# Altium PCB PCB1.PcbDoc (part 2 of 3)
Units mm, origin at the board's own origin, x right, y up, seen from the top; angles counter-clockwise.
Board outline 395.86 x 234.82 mm, 2 copper layers (Top Layer, Bottom Layer); 304 components, 236 nets, 1028 pads, 1089 vias.
Unrouted connection lines stored in the file: 1.
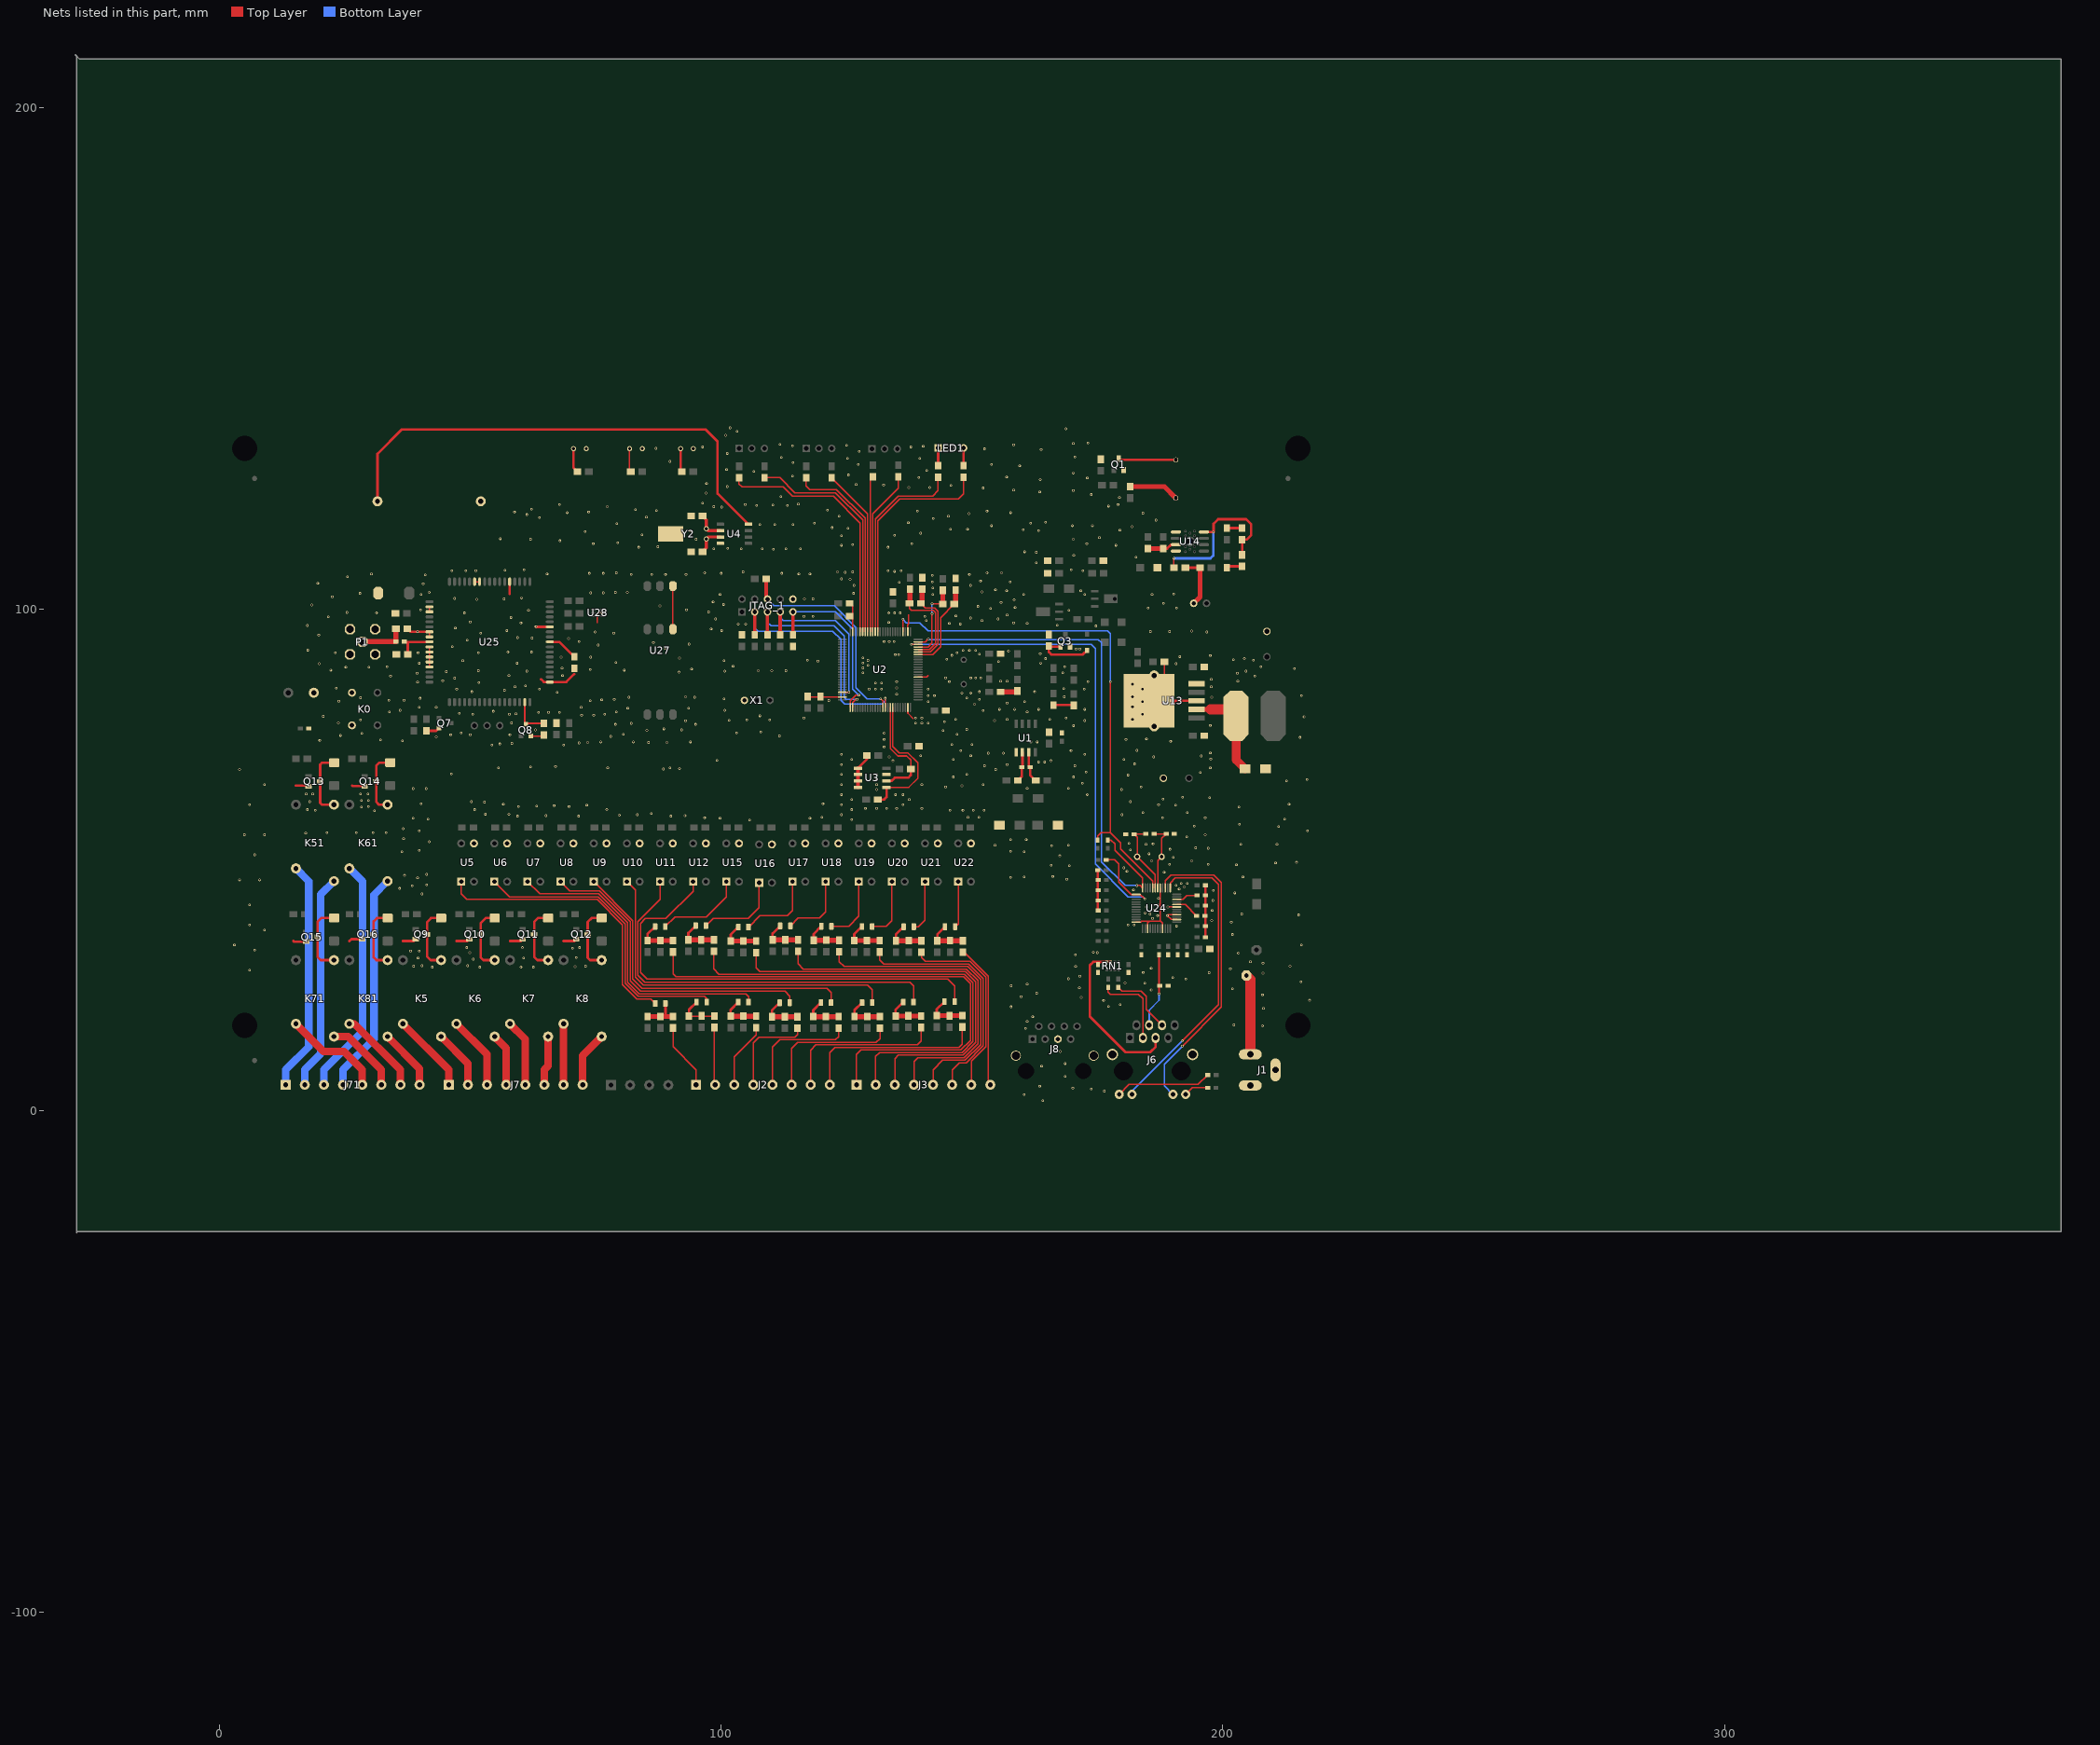
[diagram p2: the nets of this part, all layers, seen from the top]

## Via types
v1: diameter 0.5, hole 0.3, Top Layer to Bottom Layer, tented both sides, 1079 vias
v2: diameter 1, hole 0.5, Top Layer to Bottom Layer, tented both sides, 6 vias
v3: diameter 0.7, hole 0.5, Top Layer to Bottom Layer, tented both sides, 2 vias
v4: diameter 1.2, hole 0.5, Top Layer to Bottom Layer, tented both sides, 1 vias
v5: diameter 0.7, hole 0.3, Top Layer to Bottom Layer, tented both sides, 1 vias

## Nets (pads, with @x,y where several pads share a name; then routed paths per layer and width w, separated by ;. In a path a pad name is that pad's centre, name@x,y a point inside that pad or via, vN(x,y) a via of type N, cw(c..) or ccw(c..) an arc to the next point about the centre after c; other vN are vias at no path point) (continued)
GND: BAT1.2 C1.2 C01.2 C2.2 C02.2 C3.1 C03.2 C003.2 C4.1 C04.2 C004.2 C05.2 C06.2 C07.1 C7.1 C9.2 C10.2 C13.2 C14.1 C15.2 C16.2 C17.2 C18.1 C20.1 C21.1 C23.1 C24.2 C25.2 C27.2 C28.2 C31.2 C32.1 C33.2 C34.1 C35.2 C36.2 C37.2 C38.2 C69.1 C70.1 C71.1 C72.1 C73.1 C85.2 C86.2 D12.1 D25.2 D26.2 D27.2 J1.2 J1.3 J4.2 J6.13 J6.14 J8.5 J8.9 J8.10 JTAG_1.10 K0.2 L1.1 L4.1 LED5.2 P1.2 P1.3 P1.4 P1.5 pad.6@182,85 pad.7@182,78 pad.8@182,80.5 pad.9@182,82.5 pad.10 pad.11 pad.12 Q1.2 Q3.2 Q7.1 Q8.1 Q9.2 Q10.2 Q11.2 Q12.2 Q13.2 Q14.2 Q15.2 Q16.2 R2.2 R6.2 R8.1 R9.2 R21.1 R52.2 R53.2 R73.1 R82.1 R83.1 R92.1 R93.1 R94.2 R97.1 R107.1 R108.1 R109.1 R110.1 R112.1 TVS1.2 TVS3.1 U1.5 U2.10 U2.27 U2.49 U2.74 U2.99 U3.1 U3.2 U3.3 U3.4 U3.7 U4.4 U5.3 U6.3 U7.3 U8.3 U9.3 U10.3 U11.3 U12.3 U13.3 U13.5 U13.6 U13.7 U13.8 U14.1 U14.3 U15.3 U16.3 U17.3 U18.3 U19.3 U20.3 U21.3 U22.3 U24.3 U24.9 U24.14 U24.16 U24.19 U24.29 U24.48 U25.18 U25.29 U25.39 U25.45 U25.46 U25.53 U25.54 U25.58 U25.59 U25.61 U25.62 U25.63 U25.64 U25.65 U27.3 U28.2 X1.3 Y2.3 | length 195.2
  Top Layer w0.254: U25.65@41.858,88.432 U25.64@41.858,89.432 U25.63@41.858,90.432 U25.62@41.858,91.432 U25.61@41.858,92.432 ; U25.59@41.858,94.432 41.853,94.432 41.853,95.432 U25.58@41.858,95.432 ; U25.54@41.858,99.432 U25.53@41.858,100.432 ; U25.46@50.858,105.432 U25.45@51.858,105.432 ; Q8.1@62.04,74.676 64.422,74.676 C32.1@64.646,74.9 C32.1@64.838,74.9 ; U25.18@65.856,85.432 U25.18@65.858,85.432 ; 75.35,97.25 75.35,99 75.584,99.234 U28.2@76.33,99.234 ; U27.3@90.373,95.969 U27.3@90.373,104.569 ; C4.1@94.006,111.411 C4.1@94.006,111.416 ; R6.2@114.33,92.554 R6.2@114.344,92.554 ; C73.1@117.265,82.531 C73.1@117.353,82.619 ; C72.1@125.622,101.124 126.218,100.528 U2.49@126.218,95.466 ; U2.27@137.218,95.466 137.218,96.868 137.338,96.988 137.338,98.889 ; C7.1@159.071,83.662 C7.1@159.527,83.662 ; U24.48@182.724,37.598 183.648,37.598 183.85,37.8 185.35,37.8 ; U24.3@185.024,36.298 185.024,37.474 185.35,37.8 ; U13.6@186.038,76.303 U13.6@186.328,76.593 ; U13.8@186.328,86.753 186.328,84.724 185.278,83.674 U13.7@185.278,81.692 ; U24.29@187.524,44.398 187.524,37.926 187.65,37.8 ; U24.9@188.024,36.298 188.024,37.426 187.65,37.8 ; LED5.2@188.36,89.44 188.36,81.692 185.282,81.692 U13.7@185.278,81.692 ; U13.7@188.75,79.2 188.75,79.204 188.741,79.195 188.741,79.006 188.353,78.617 U13.6@186.328,76.593 ; v1@189.029,40.621 v1(189.052,40.598) U24.19@190.824,40.598 ; 190.4,81.15 190.4,81.688 190.4,81.692 190.4,81.794 191.48,81.794 191.586,81.688 192.957,81.688 U13.3@194.778,81.688 ; U14.3@190.646,112.808 U14.3@190.9,112.808 ; U24.14@190.824,38.098 189.752,38.098 v1(188.95,38.9) 189.148,39.098 U24.16@190.824,39.098 ; U13.7@185.278,81.692 185.278,77.642 U13.6@186.328,76.593 ; 185.35,37.8 187.65,37.8
  Top Layer w0.3: C73.1@117.265,82.531 117.381,82.416 U2.74@124.168,82.416 ; U2.99@137.218,80.366 137.218,79.232 138.25,78.2 ; U2.10@139.268,86.416 140.966,86.416 141.25,86.7
  Top Layer w0.5: 14.732,33.814 14.859,33.687 Q15.2@17.272,33.687 ; 15.24,64.802 17.653,64.802 Q13.2@17.78,64.675 ; 25.908,33.814 26.289,34.195 Q16.2@28.448,34.195 ; 26.416,64.802 26.543,64.675 Q14.2@28.956,64.675 ; 36.576,33.814 38.735,33.814 Q9.2@39.116,34.195 ; C33.2@37.468,96.044 38.08,95.432 41.853,95.432 U25.58@41.858,95.432 ; R92.1@41.278,75.724 43.212,75.724 Q7.1@43.786,76.298 ; 47.244,33.814 49.403,33.814 Q10.2@49.784,34.195 ; 57.858,103.008 U25.39@57.858,105.432 ; 57.912,33.814 60.071,33.814 Q11.2@60.452,34.195 ; v1(63.1,96.5) 63.168,96.432 U25.29@65.858,96.432 ; 64.1,86 64.668,85.432 U25.18@65.858,85.432 69.147,85.432 70.742,87.027 ; 68.58,33.814 70.739,33.814 Q12.2@71.12,34.195 ; U3.1@127.274,68.27 129.052,70.048 C9.2@129.052,70.81 ; R73.1@166.253,80.844 R8.1@170.253,80.844 ; R112.1@175.09,47.968 175.09,39.952 R107.1@175.146,39.896 ; U13.7@185.282,81.692 185.282,81.688 190.4,81.688 191.586,81.688 192.957,81.688 U13.3@194.778,81.688 ; R53.2@188.106,112.046 188.896,112.046 189.658,112.808 U14.3@190.646,112.808 ; C15.2@192.551,108.236 C16.2@195.472,108.236 ; C05.2@196.553,34.76 C06.2@196.553,36.792 C03.2@196.553,40.856 C24.2@196.553,42.888 R94.2@196.553,44.92
  Top Layer w0.7: U3.4@127.274,64.46 U3.3@127.274,65.73 U3.2@127.274,67 U3.1@127.274,68.27
  Top Layer w1: C1.2@155.721,83.471 158.88,83.471 C7.1@159.071,83.662 ; R52.2@185.058,112.046 R53.2@188.106,112.046 ; J4.2@194.202,101.124 195.472,102.394 C16.2@195.472,108.236
  other v1: 164.1,2 160.4,3.2 176.4,3.9 173.8,4.3 170.1,4.5 163.5,4.9 168.6,6.8 163.9,8.9 168.6,9.4 167.6,11.8 160.7,16.4 207.9,16.9 202.2,17.1 161,17.8 162.1,18.7 208.1,20.4 157.8,20.7 177.216,20.752 179.527,21.133 176.251,21.996 217.3,22 171.78,22.581 159.8,22.7 207.9,23.1 162.9,23.4 185.725,24.054 201.9,24.3 171.399,24.46 157.8,24.9 161,25.2 184.455,25.4 180.518,25.451 215.6,25.7 192.634,26.264 169.2,26.3 190.017,26.518 171.501,26.797 208,27.4 197.3,27.5 184.15,27.534 6,28 201.5,28.3 185.725,28.397 42.4,28.6 51.9,28.6 60.1,28.6 62.6,28.6 70.9,28.7 170.663,28.727 38.7,28.8 73,28.8 213.4,28.8 40.4,28.9 49.5,28.9 208,29.4 205.5,29.7 50.6,30.2 39.6,30.4 60.6,30.4 71.1,30.5 170.6,31.1 203.1,31.4 49.9,31.5 175,31.5 174.2,31.6 38.1,31.8 39.8,31.8 7,32 70.4,32.4 49.3,32.5 60.4,32.5 71.8,32.5 3,33 215.7,33 201.9,35.1 9,36 190.8,36.8 6,37 181.1,37 182.3,37 201.7,37.6 197.8,37.9 186,38.3 187,38.9 215.1,39 185.5,39.2 203.8,39.2 184.5,39.4 197.9,39.9 186.3,40 184.8,40.6 6,41 187.1,41 198,41.9 187.2,42.3 40.4,43.2 202.4,43.4 198.1,43.9 182.2,44 191.3,44.2 35.9,44.3 192.3,44.6 38.4,44.8 190.7,44.9 41.3,45 191.7,45.3 192.9,45.3 4,46 8,46 168.9,46.1 39.5,46.4 157.7,46.5 160.4,46.6 204,46.6 166.1,46.7 36.9,46.9 41.3,47.1 188.3,47.5 180.9,47.7 180.3,48.4 169.4,48.8 165.8,48.9 202.7,49 189.4,49.1 197.1,49.1 210.5,49.4 214.7,49.5 185.8,49.8 193.8,49.8 190.1,50.5 167.5,50.8 7,51 185.3,51.2 36.4,51.6 160.4,51.6 157.7,51.7 39.8,51.9 181.6,52 189.5,52.1 197.1,52.3 194.6,52.4 165.9,52.8 154.6,52.9 169.2,52.9 184.7,53.1 203.6,53.1 210.8,53.1 186.1,53.2 181.3,53.3 41.8,53.6 157.7,54 160.8,54 36.7,54.2 192.8,54.6 5,55 9,55 196.5,55 17.2,55.3 21.4,55.4 27.3,55.4 30.6,55.4 33.2,55.4 39.8,55.8 216.9,55.8 36.6,56.2 211.1,56.6 194.3,56.7 203.3,57.1 105.7,57.9 126,58 41.6,58.1 212.3,58.1 38.6,58.3 99.8,58.3 117.7,58.3 96.7,58.4 188,58.4 196.5,58.4 120.1,58.5 149.2,58.5 151.4,58.5 59.4,58.7 71.6,58.7 90,58.7 65.1,58.8 92.8,58.8 79.7,58.9 83.3,59 124,59 179.9,59 53,59.1 57.7,59.1 86.1,59.2 184.1,59.4 192.9,59.4 30.9,59.8 19.1,59.9 145.6,59.9 148.2,59.9 150.3,59.9 152.4,59.9 17.5,60 50.9,60 77.2,60 126,60 128.75,60.25 131,60.25 133,60.25 135,60.25 140,60.25 28.3,60.5 203.2,60.5 29.7,60.6 59.6,60.6 69.7,60.6 63.2,60.7 66.7,60.8 73.2,60.9 190.6,60.9 6,61 124,61 136.25,61 187.2,61 56.6,61.1 213.2,61.1 40.2,61.2 120.3,61.2 52.8,61.5 18,61.6 50.2,61.6 181.6,61.6 28.3,61.8 29.7,61.8 126,62 137.5,62 188.1,62.1 197.4,62.4 192,62.5 124,63 134.75,63 136.25,63 173,63 17.3,63.1 18.6,63.1 28.1,63.1 29.6,63.1 131,64 179.8,64 38.6,64.2 41.2,64.2 161,64.25 169.25,64.25 144.75,64.5 183.7,64.5 148,64.75 9,65 124,65 131,65 140,65 152.25,65 172,65.25 212.7,65.7 131,66 216.8,66 146.25,66.5 170.25,66.5 181.1,66.9 124,67 131,67 149,67 46.2,67.1 195.5,67.4 172.75,67.5 4,68 154.75,68 88.5,68.1 91.7,68.2 55.6,68.3 77.4,68.3 89.8,68.3 197.5,68.3 62,68.5 67,68.6 152.5,68.75 170.5,68.75 124,69 157,69 182.4,69.1 163.25,69.5 164.5,69.5 134.25,69.75 165.75,69.75 99.2,69.8 126,70 146.25,70 180.3,70 197.6,70.1 133.5,70.5 186.2,70.5 195.7,70.7 139.75,70.75 149.75,70.75 124,71 172.5,71 153.25,71.25 156.25,71.25 197.5,71.3 147.75,71.75 169.75,71.75 182.9,71.8 132.5,72.5 54.3,72.9 68.6,72.9 146,73 150,73 55.9,73.1 58.3,73.2 71.7,73.3 73.4,73.4 85.5,73.4 89.2,73.4 76,73.5 82.5,73.5 93.9,73.5 161.75,73.5 163,73.5 189.6,73.6 36.5,73.7 20,73.8 32.1,73.9 132.5,74 180.7,74 184.8,74.1 215.4,74.4 43.2,74.5 78,74.6 111.6,74.7 24.1,74.8 46.1,74.9 50,74.9 57.9,74.9 80.5,75 147,75 28.4,75.2 132.5,75.25 48.2,75.3 103.1,75.3 107.9,75.5 144.25,75.75 85.2,75.8 63,75.9 92.1,75.9 149,76 88.6,76.1 170.25,76.75 197.5,76.8 78.9,77 94.9,77 82.1,77.2 138.75,77.25 140,77.25 141.25,77.25 23.7,77.3 58.2,77.3 144.5,77.5 92.9,77.7 154.5,77.75 172.5,77.75 101.6,77.8 28.1,77.9 105.1,77.9 109.7,77.9 146.75,78 157,78 165.5,78 116.5,78.25 138.75,78.25 140,78.25 168.75,78.25 216.2,78.5 20.7,78.6 107.7,78.7 72.2,78.8 74.6,78.8 50.5,79 57.8,79 76.8,79 59.1,79.1 47.8,79.2 63.6,79.4 65.6,79.4 67.8,79.4 33.9,79.5 79.1,79.5 161,79.5 54.6,79.6 152.25,79.75 36,79.8 100.7,79.8 155.5,80 158.5,80 163.25,80 172.5,80 81.4,80.2 93.5,80.2 39.8,80.4 43.2,80.4 72.1,80.4 150.5,81 157,81.25 141.25,81.5 160.5,81.5 23.8,81.6 73.9,81.7 121.5,81.75 33.8,81.8 36.8,81.8 76.2,81.9 78.7,82 151.5,82 100.6,82.1 40,82.2 149,82.25 28.1,82.3 81.6,82.4 94.7,82.4 197.8,82.4 92.9,82.5 168.4,82.5 215.7,82.7 141.25,82.75 142.5,82.75 135,83 148,83.25 149.75,83.25 67.3,83.4 50.3,83.5 151.5,83.5 162.5,83.5 56.8,83.8 47.3,84 63.8,84 129.5,84 130.75,84 132,84 141.25,84 172.4,84 168.3,84.1 23.3,84.2 135,84.25 58.9,84.5 197.7,84.5 61,84.7 130.75,85.25 132,85.25 51.7,85.3 39.5,85.4 135,85.5 145.5,85.5 173.1,85.5 155.7,85.6 157,85.6 203,85.6 44.5,85.7 197.7,86 46.9,86.2 144.75,86.25 149.75,86.25 150.75,86.25 151.75,86.25 34.1,86.6 206.4,86.6 57.7,86.7 68.4,86.7 39.4,87.2 202.9,87.2 128.25,87.25 168.1,87.3 91.6,87.4 45.2,87.5 61.3,87.6 100.7,87.6 204.6,87.6 51.6,87.7 107.4,87.7 110.1,87.7 112.9,87.7 22.2,87.8 80.7,87.8 73.9,87.9 94.1,88 214.3,88.1 68.3,88.2 128.25,88.25 130.5,88.25 25.2,88.4 29.8,88.4 33.4,88.5 168.5,88.5 207.6,88.5 102.4,88.6 129.25,88.75 19.9,89.1 190.7,89.1 39.8,89.2 59.3,89.2 163.7,89.2 128.25,89.25 79,89.3 155.3,89.5 119.3,89.6 48.5,89.7 100.6,89.7 129.25,89.75 117.2,89.8 206.1,89.8 202.1,89.9 145,90 164.7,90.1 204.3,90.1 91.7,90.2 128.25,90.25 68.1,90.4 74,90.4 191.4,90.5 197.5,90.7 146,90.75 134.7,90.9 135.4,90.9 151.5,91 163.6,91.1 147,91.25 23.1,91.3 39.6,91.3 51.6,91.3 57.5,91.4 62.2,91.4 157.3,91.6 148.25,91.75 149.5,91.75 150.75,91.75 17.6,91.8 170.75,92 171.5,92 88.9,92.1 46.4,92.5 75.5,92.8 93.6,93 86.5,93.3 71.7,93.5 132.5,93.5 133.5,93.5 134.5,93.5 49.4,93.8 69.6,94.1 62.3,94.2 59.4,94.3 19.8,94.8 52.1,95.2 78.6,95.2 74.9,95.4 196.8,95.4 39.5,95.432 185.6,95.5 189.4,95.5 193.8,95.6 57.3,95.7 100.1,95.7 98,96 47,96.2 174.7,96.6 17.5,96.7 167,96.75 103.4,97 104.9,97 147.7,97 145.5,97.1 161,97.1 60.1,97.2 158.3,97.2 133.4,97.3 50,97.4 140.9,97.7 152,97.7 98.9,98 155.2,98 149.7,98.2 58.1,98.3 21.7,98.4 116.5,98.5 118.3,98.5 140.6,98.5 146.8,98.6 157,98.8 31.3,99.2 48.8,99.2 133.4,99.2 134.6,99.2 135.7,99.2 25.4,99.3 97.5,99.4 61.6,99.7 169.3,99.7 40.1,99.8 93.1,99.8 153.7,100.1 185.1,100.2 190.8,100.2 158.6,100.3 151.2,100.5 87.8,100.6 18.4,100.8 100.5,100.9 188.2,101.1 155.8,101.3 98.4,101.4 158.4,101.8 51.3,101.9 56.7,102 116.6,102 118.3,102 46.9,102.1 60.2,102.2 22.5,102.4 40.2,102.9 99.8,102.9 142.2,102.9 160.3,102.9 172.5,102.9 185.9,102.9 190.2,103 28,103.1 126.4,103.1 74,103.2 76.5,103.2 41.8,103.3 78.9,103.3 81.3,103.3 152,103.4 156.9,103.6 171.7,103.6 154.7,103.8 142.2,104.2 126.5,104.7 149.7,104.7 40.6,105 19.6,105.1 135.5,105.3 142.1,105.4 157.6,105.4 151.7,105.6 125.7,105.9 124,106 25.5,106.4 142.1,106.7 41,106.8 82.1,106.9 86.2,106.9 88.9,106.9 93,106.9 149.5,106.9 30.3,107 65.3,107 115.5,107 117.7,107 73.7,107.1 76.5,107.1 100,107.1 112.1,107.1 79.1,107.2 96.7,107.2 153,107.2 155.9,107.2 124.7,107.3 104.4,107.4 123.2,107.4 126.2,107.4 134.6,107.5 46.3,107.6 49.1,107.6 51.1,107.6 133.3,107.6 135.9,107.6 172.1,107.6 56.9,107.7 60.7,107.8 169.8,107.8 162.8,109.2 182.7,110.3 170.3,110.7 162.8,111.3 160.5,111.4 110.4,111.9 98.5,112 104,112 108.2,112 112.9,112 115.8,112 101.3,112.1 83.6,112.3 133.3,112.3 87.4,112.4 124,112.7 178.7,112.7 126.2,112.8 74.5,113 138,113 172.9,113 79.4,113.2 67.9,113.6 62,113.9 95,113.9 170.2,113.9 56,114 175.4,114.2 124,114.6 134.6,114.7 84.2,114.8 139.8,115.1 72.9,115.4 93.9,115.5 163.3,115.6 179.5,115.7 160.2,115.8 145.7,115.9 149.1,115.9 125.3,116.1 122.1,116.2 181.9,116.4 153.9,116.6 170,116.6 174,116.6 107.7,116.8 110.7,116.8 114.3,116.8 79.2,117 118.6,117.1 161.7,117.1 137.3,117.2 164.7,117.3 186.7,117.7 142.3,118 63.8,118.2 85.1,118.3 123.5,118.5 145.3,118.5 61.3,118.8 149.4,119 184.1,119.1 69.3,119.2 157.7,119.2 58.8,119.3 73.6,119.3 139.1,119.5 153,119.5 87.1,119.6 121.2,119.7 82.9,119.8 62.2,119.9 100.1,120.3 77.3,120.4 98.5,120.4 177.2,120.5 107.1,120.6 113.2,120.6 110.3,120.7 67.8,120.8 104.8,120.8 179.1,120.8 115.4,120.9 96.3,121.1 179.4,122.2 111.9,122.4 173.8,122.8 97,123.1 163.5,123.3 170.2,123.6 158.3,123.7 152.2,124.1 137.4,124.2 141.6,124.2 101.2,124.4 145.8,124.6 132.4,124.7 126.9,124.8 97.1,125 163.6,125.8 173,126.1 139.4,126.2 156.9,126.3 114.2,126.5 125.4,126.7 170.2,127.1 106.5,127.4 141,127.6 101.1,127.8 159.5,128.5 127.3,128.8 153.9,128.8 114.3,129.2 89.8,129.4 125.2,130 139.6,130 112,130.2 170.5,130.3 101.2,131 127.5,131.4 163.8,131.8 152.5,131.9 87,132 96.3,132.3 137.8,132.3 140.3,132.4 114.2,132.5 125,132.6 158.3,132.7 111.7,132.8 170.2,133 173.1,133.1 100.9,134.6 103.2,135.4 168.7,135.9 101.8,136.1
I2C1_SCL: R23.1 U2.92 U3.6 | length 21.5
  Top Layer w0.3: U2.92@133.718,80.366 133.718,72.2 135.218,70.7 137,70.7 137.814,69.886 R23.1@137.814,68.104
  Top Layer w0.5: U3.6@132.974,65.73 133.967,65.73 134.588,66.351 137.281,66.351 137.814,66.885 R23.1@137.814,68.104
I2C1_SDA: R24.1 U2.93 U3.5 | length 28.1
  Top Layer w0.3: U3.5@132.974,64.46 137.421,64.46 139.211,66.25 139.211,69.323 137.234,71.3 135.518,71.3 134.218,72.6 U2.93@134.218,80.366
  Top Layer w0.5: R24.1@131.21,62.008 132.455,62.008 132.974,62.527 U3.5@132.974,64.46
IN1: J2.1 R25.1 | length 13.2
  Top Layer w0.254: R25.1@90.41,16.484 90.41,12.746 94.996,8.16 J2.1@94.996,5.16
IN2: J2.2 R26.1 | length 11.5
  Top Layer w0.254: R26.1@98.662,16.6 98.662,8.304 98.662,5.304 J2.2@98.806,5.16
IN3: J2.3 R27.1 | length 13.2
  Top Layer w0.254: J2.3@102.616,5.16 102.616,8.16 102.616,10.716 106.974,15.074 R27.1@106.974,16.56
IN4: J2.4 R28.1 | length 19.1
  Top Layer w0.254: J2.4@106.426,5.16 106.426,8.16 106.426,13.526 107.54,14.64 114.7,14.64 115.214,15.154 R28.1@115.214,16.436
IN5: J2.5 R29.1 | length 23.3
  Top Layer w0.254: J2.5@110.236,5.16 110.236,8.16 110.236,12.636 111.732,14.132 122.8,14.132 123.434,14.766 R29.1@123.434,16.46
IN6: J2.6 R30.1 | length 27.8
  Top Layer w0.254: J2.6@114.046,5.16 114.046,8.16 114.046,12.446 115.224,13.624 130.9,13.624 131.654,14.378 R30.1@131.654,16.46
IN7: J2.7 R31.1 | length 32.3
  Top Layer w0.254: J2.7@117.856,5.16 117.856,8.16 117.856,12.056 118.916,13.116 139.1,13.116 139.862,13.878 R31.1@139.862,16.568
IN8: J2.8 R32.1 | length 36.9
  Top Layer w0.254: J2.8@121.666,5.16 121.666,8.16 121.666,11.566 122.708,12.608 147.408,12.608 148.078,13.278 R32.1@148.078,16.66
IN9: J3.1 R54.1 | length 105.6
  Top Layer w0.254: R54.1@90.406,31.62 90.406,27.302 91,26.708 148.292,26.708 149.7,25.3 149.7,14 147.8,12.1 127.9,12.1 127,11.2 127,8.16 J3.1@127,5.16
IN10: J3.2 R55.1 | length 94.3
  Top Layer w0.254: R55.1@98.554,31.768 98.554,28.246 99.584,27.216 148.502,27.216 150.208,25.51 150.208,13.79 148.01,11.592 131.592,11.592 130.81,10.81 130.81,8.16 J3.2@130.81,5.16
IN11: J3.3 R56.1 | length 82.7
  Top Layer w0.254: R56.1@106.983,31.52 106.983,28.441 107.7,27.724 148.713,27.724 150.716,25.721 150.716,13.579 148.221,11.084 135.3,11.084 134.62,10.404 134.62,8.16 J3.3@134.62,5.16
IN12: J3.4 R57.1 | length 71.2
  Top Layer w0.254: R57.1@115.337,31.749 115.337,29.295 116.4,28.232 148.923,28.232 151.224,25.931 151.224,13.369 148.431,10.576 139.176,10.576 138.43,9.83 138.43,8.16 J3.4@138.43,5.16
IN13: J3.5 R58.1 | length 59.2
  Top Layer w0.254: R58.1@123.53,31.668 123.53,29.71 124.5,28.74 149.16,28.74 151.732,26.168 151.732,13.158 148.642,10.068 144.148,10.068 142.24,8.16 J3.5@142.24,5.16
IN14: J3.6 R59.1 | length 48.3
  Top Layer w0.254: R59.1@131.614,31.62 131.614,30.086 132.452,29.248 149.37,29.248 152.24,26.378 152.24,12.948 148.852,9.56 147.45,9.56 146.05,8.16 J3.6@146.05,5.16
IN15: J3.7 R60.1 | length 38.1
  Top Layer w0.254: R60.1@139.926,31.576 139.926,30.53 140.7,29.756 149.581,29.756 152.748,26.589 152.748,12.737 149.86,9.849 149.86,8.16 J3.7@149.86,5.16
IN16: J3.8 R61.1 | length 28.3
  Top Layer w0.254: R61.1@148.182,31.576 148.479,31.576 153.256,26.799 153.256,8.574 J3.8@153.256,5.574
JDQOUT1: D28.1 K5.3 Q9.3 | length 13.1
  Top Layer w0.5: K5.3@44.176,30.004 42.096,30.004 41.402,30.698 Q9.3@41.402,35.147 41.402,37.602 42.186,38.386 D28.1@44.196,38.386
JDQOUT2: D29.1 K6.3 Q10.3 | length 13
  Top Layer w0.5: K6.3@54.844,30.004 52.596,30.004 52.07,30.53 Q10.3@52.07,35.147 52.07,37.37 53.086,38.386 D29.1@54.864,38.386
JDQOUT3: D30.1 K7.3 Q11.3 | length 13.1
  Top Layer w0.5: K7.3@65.512,30.004 63.396,30.004 62.738,30.662 Q11.3@62.738,35.147 62.738,37.638 63.486,38.386 D30.1@65.532,38.386
JDQOUT4: D31.1 K8.3 Q12.3 | length 13.2
  Top Layer w0.5: K8.3@76.18,30.004 73.896,30.004 73.406,30.494 Q12.3@73.406,35.147 73.406,37.606 74.186,38.386 D31.1@76.2,38.386
JDQOUT5: D35.1 K51.3 Q13.3 | length 13.5
  Top Layer w0.5: K51.3@22.84,60.992 20.408,60.992 20.066,61.334 Q13.3@20.066,65.627 20.066,68.966 20.474,69.374 D35.1@22.86,69.374
JDQOUT6: D34.1 K61.3 Q14.3 | length 12.7
  Top Layer w0.5: K61.3@33.508,60.992 31.808,60.992 31.242,61.558 Q14.3@31.242,65.627 31.242,68.742 31.874,69.374 D34.1@34.036,69.374
JDQOUT7: D33.1 K71.3 Q15.3 | length 14.2
  Top Layer w0.5: K71.3@22.84,30.004 20.196,30.004 19.558,30.642 Q15.3@19.558,34.639 19.558,37.658 20.286,38.386 D33.1@22.86,38.386
JDQOUT8: D32.1 K81.3 Q16.3 | length 13.2
  Top Layer w0.5: K81.3@33.508,30.004 31.296,30.004 30.734,30.566 Q16.3@30.734,35.147 30.734,37.734 31.386,38.386 D32.1@33.528,38.386
JTCK: JTAG_1.9 R6.1 U2.76 | length 35.5
  Top Layer w0.254: U2.76@125.718,80.762 U2.76@125.718,80.366 125.718,81.662 126.856,82.8 v1(127.45,82.8)
  Top Layer w0.7: JTAG_1.9@114.31,99.42 114.31,94.86 R6.1@114.33,94.84
  Bottom Layer w0.254: JTAG_1.9@114.31,99.42 122.779,99.42 126.2,95.999 126.2,84.05 v1(127.45,82.8)
JTDI: JTAG_1.5 R4.2 U2.77 | length 40.2
  Top Layer w0.254: U2.77@126.218,80.366 126.218,81.349 126.841,81.972 v1(127.095,81.972)
  Top Layer w0.7: JTAG_1.5@109.23,99.42 109.23,94.854 R4.2@109.25,94.834
  Bottom Layer w0.254: JTAG_1.5@109.23,99.42 109.23,97.323 109.925,96.628 122.523,96.628 124.53,94.622 124.53,82.353 124.911,81.972 v1(127.095,81.972)
JTDO: JTAG_1.6 R22.2 U2.89 | length 43.9
  Top Layer w0.254: v1(131.8,82.1) 132.218,81.682 U2.89@132.218,80.366
  Top Layer w0.7: R22.2@108.976,106.024 108.976,102.214 JTAG_1.6@109.23,101.96
  Bottom Layer w0.254: JTAG_1.6@109.23,101.96 110.523,100.667 122.549,100.667 126.9,96.315 126.9,84.327 129.127,82.1 v1(131.8,82.1)
JTMS: JTAG_1.7 R5.2 U2.72 | length 33.7
  Top Layer w0.254: U2.72@124.168,83.416 v1(125.47,83.416)
  Top Layer w0.7: JTAG_1.7@111.77,99.42 111.77,94.854 R5.2@111.79,94.834
  Bottom Layer w0.254: JTAG_1.7@111.77,99.42 111.77,98.237 112.338,97.67 122.8,97.67 125.47,95 v1(125.47,83.416)
JTRST: JTAG_1.3 R3.2 U2.90 | length 49.8
  Top Layer w0.254: U2.90@132.718,80.366 v1(132.718,82.2)
  Top Layer w0.7: JTAG_1.3@106.69,99.42 106.69,94.854 R3.2@106.71,94.834
  Bottom Layer w0.254: JTAG_1.3@106.69,99.42 106.69,96.155 107.309,95.536 122.244,95.536 123.844,93.936 123.844,81.82 124.631,81.033 132.023,81.033 132.718,81.728 v1(132.718,82.2)
LED0_0: R10.2 U2.39 | length 44.7
  Top Layer w0.254: U2.39@131.218,95.466 131.218,117.532 135.618,121.932 147.33,121.932 148.33,122.932 R10.2@148.33,126.258
LED0_1: R11.2 U2.40 | length 40
  Top Layer w0.254: U2.40@130.718,95.466 130.718,117.932 130.718,117.95 135.3,122.532 142.15,122.532 143.25,123.632 R11.2@143.25,126.258
LED1_0: R12.2 U2.41 | length 33.8
  Top Layer w0.254: U2.41@130.218,95.466 130.218,101.5 ; 130.218,102.319 130.218,101.5 ; R12.2@135.31,126.354 135.31,124.024 130.218,118.932 130.218,101.5
LED1_1: R13.2 U2.42 | length 31.6
  Top Layer w0.254: U2.42@129.718,95.466 R13.2@129.718,126.354 ; R13.2@129.718,125.842 R13.2@130.23,126.354
LED2_0: R14.2 U2.43 | length 33.6
  Top Layer w0.254: R14.2@122.046,126.138 129.218,118.966 U2.43@129.218,95.466
LED2_1: R15.2 U2.44 | length 38.6
  Top Layer w0.254: R15.2@116.966,126.138 116.966,124.566 117.7,123.832 123,123.832 128.718,118.114 U2.44@128.718,95.466
LED3_0: R16.2 U2.45 | length 45.3
  Top Layer w0.254: R16.2@108.646,126.158 111.724,126.158 114.718,123.164 122.768,123.164 128.218,117.714 U2.45@128.218,95.466
LED3_1: R17.2 U2.46 | length 50.3
  Top Layer w0.254: R17.2@103.566,126.158 103.566,124.916 104.15,124.332 112.35,124.332 114.218,122.464 122.368,122.464 127.718,117.114 U2.46@127.718,95.466
NET_CS: R121.2 U2.29 U24.32 | length 103.4
  Top Layer w0.254: U2.29@136.218,95.466 v1(136.218,97.974) ; R121.2@175.04,53.955 175.04,54.74 175.7,55.4 177.6,55.4 ; v1(177.6,85.5) 177.6,55.4 ; U24.32@186.024,44.398 186.024,45.776 179.6,52.2 179.6,53.4 177.6,55.4
  Bottom Layer w0.254: v1(136.218,97.974) 136.929,97.263 139.598,97.263 141.224,95.638 175.7,95.638 ; 176.162,95.638 175.7,95.638 ; v1(177.6,85.5) 177.6,95.1 177.062,95.638 175.7,95.638
NET_INT: R119.2 U2.24 U24.36 | length 104
  Top Layer w0.254: U2.24@139.268,93.416 140.698,93.416 v1(141.3,94.018) ; R119.2@177.072,53.955 177.7,53.955 178.5,53.155 178.5,51.9 184.024,46.376 U24.36@184.024,44.398 183.547,44.875 v1(182.9,44.875)
  Bottom Layer w0.254: v1(141.3,94.018) 141.433,93.885 175.215,93.885 175.8,93.3 175.8,49.6 180.525,44.875 v1(182.9,44.875)
NET_RST: R114.2 U2.23 U24.37 | length 107.1
  Top Layer w0.254: v1(137.937,92.916) U2.23@139.268,92.916 ; R114.2@176.741,50 178.45,50 179.25,49.2 179.25,45.6 181.752,43.098 U24.37@182.724,43.098 183.552,43.098 v1(184.45,42.2)
  Bottom Layer w0.254: v1(137.937,92.916) 173.784,92.916 174.6,92.1 174.6,49.15 181.15,42.6 184.05,42.6 v1(184.45,42.2)
NetBAT1_1: BAT1.1 U4.8 | length 99.1
  Top Layer w0.5: BAT1.1@31.496,121.444 31.496,130.928 36.337,135.769 96.7,135.769 ; 96.882,135.769 99.3,133.351 99.3,123.013 U4.8@105.436,116.877
NetBEEP1_1: BEEP1.1 R20.2 | length 10.1
  Top Layer w1: R20.2@181.502,124.39 188.36,124.39 BEEP1.1@190.646,122.104
NetBEEP1_2: BEEP1.2 Q1.3 | length 11.1
  Top Layer w0.5: Q1.3@179.534,129.704 BEEP1.2@190.646,129.704
NetC001_1: C001.1 J6.3 | length 16.3
  Top Layer w0.254: C001.1@177.136,24.584 177.136,23.664 177.6,23.2 183.2,23.2 184.1,22.3 184.1,17.534 184.1,14.534 J6.3@184.066,14.5
NetC002_1: C002.1 J6.6 | length 13.3
  Top Layer w0.254: C002.1@179.168,24.584 179.952,23.8 183.7,23.8 184.734,22.766 184.734,20.182 J6.6@187.876,17.04
NetC003_1: C003.1 J6.5 RN1.5 RN1.7 | length 34
  Top Layer w0.5: C003.1@175.104,29.156 175.612,29.664 ; 176,29.664 175.612,29.664 ; RN1.5@177.676,29.664 177.2,29.664 RN1.7@176.876,29.664 175.612,29.664 ; J6.5@186.606,14.5 186.606,12.743 185.522,11.659 180.645,11.659 173.5,18.803 173.5,29 174.164,29.664 175.612,29.664
NetC3_2: C3.2 U4.2 Y2.2 | length 5.8
  Top Layer w0.6: C3.2@96.292,118.528 97.054,117.766 Y2.2@97.054,115.988 97.435,115.607 U4.2@99.848,115.607
NetC4_2: C4.2 U4.3 Y2.1 | length 5.8
  Top Layer w0.6: C4.2@96.292,111.416 97.054,112.178 Y2.1@97.054,113.956 97.435,114.337 U4.3@99.848,114.337
NetC5_1: C5.1 L1.2 U2.20 | length 18.2
  Top Layer w0.254: U2.20@139.268,91.416 141.766,91.416 143.258,92.908 143.258,99.517 142.55,100.225 140.745,100.225 C5.1@139.846,101.124
  Top Layer w1: C5.1@139.846,101.124 140.082,101.36 L1.2@140.082,103.926
NetC5_2: C5.2 L2.2 U2.21 | length 19.6
  Top Layer w0.254: C5.2@137.56,101.124 137.56,100.1 137.96,99.7 142.325,99.7 142.775,99.25 142.775,93.125 141.566,91.916 U2.21@139.268,91.916
  Top Layer w1: C5.2@137.56,101.124 137.646,101.21 L2.2@137.646,103.942
NetC8_1: C8.1 L3.1 U2.22 | length 16.2
  Top Layer w0.254: U2.22@139.268,92.416 141.266,92.416 142.05,93.2 v1(142.05,99.05) ; v1(142.05,101) C8.1@144.19,101 ; C8.1@144.194,100.556 C8.1@144.194,100.996
  Top Layer w1: C8.1@144.194,100.996 L3.1@144.194,103.704
  Bottom Layer w0.254: v1(142.05,99.05) v1(142.05,101)
NetC8_2: C8.2 L4.2 U2.19 | length 17.7
  Top Layer w0.254: U2.19@139.268,90.916 142.16,90.916 143.766,92.522 143.766,98.282 C8.2@146.48,100.996 C8.2@146.734,101.25
  Top Layer w1: C8.2@146.734,101.25 L4.2@146.734,103.79
NetC15_1: C15.1 D10.1 D11.1 R51.2 U14.4 U14.8 | length 34.1
  Top Layer w0.254: C15.1@190.265,108.115 v1@190.265,110.09
  Top Layer w0.5: U14.8@196.234,115.348 v1(198.102,115.348) 198.15,115.3 198.15,117 199.05,117.9 204.65,117.9 205.65,116.9 205.65,114.7 204.774,113.824 D10.1@203.854,113.824 D11.1@203.854,110.776
  Bottom Layer w0.5: v1(190.25,110.1) 197.55,110.1 198.102,110.652 v1(198.102,115.348)
NetC20_2: C20.2 R122.1 U24.30 Y4.1 | length 13.9
  Top Layer w0.254: R122.1@186.28,55.18 C20.2@188.703,55.18 187.814,54.291 Y4.1@187.814,50.608 187.024,49.818 U24.30@187.024,44.398
NetC21_2: C21.2 R122.2 U24.31 Y4.2 | length 14.2
  Top Layer w0.254: C21.2@182.343,55.088 182.934,54.497 Y4.2@182.934,50.608 186.524,47.018 U24.31@186.524,44.398 ; C21.2@182.343,55.18 R122.2@184.131,55.18
NetC23_2: C23.2 U24.20 | length 4.9
  Top Layer w0.254: U24.20@190.824,41.098 192.501,41.098 C23.2@194.775,38.824
NetC24_1: C24.1 U24.22 | length 4.4
  Top Layer w0.254: U24.22@190.824,42.098 192.048,42.098 192.838,42.888 C24.1@194.902,42.888
NetC25_1: C25.1 J6.4 R0.1 | length 15
  Top Layer w0.3: v1(187.3,23.267) C25.1@187.3,24.765 ; R0.1@187.3,31.05 C25.1@187.3,24.765 ; C25.1@187.427,24.892 C25.1@187.3,24.765
  Bottom Layer w0.3: J6.4@185.336,17.04 185.336,20.04 187.3,22.004 v1(187.3,23.267)
NetC32_2: C32.2 Q8.3 U25.16 | length 8.1
  Top Layer w0.4: U25.16@60.858,81.432 60.858,77.258 Q8.3@61.09,77.026 61.25,77.186 C32.2@64.646,77.186
NetC33_1: C33.1 P1.1 R103.1 | length 9.2
  Top Layer w1: P1.1@28.522,93.448 28.578,93.504 R103.1@35.182,93.504 C33.1@35.182,96.044
NetC35_1: C35.1 U25.26 | length 6.1
  Top Layer w0.5: U25.26@65.858,93.432 67.766,93.432 C35.1@70.742,90.456
NetC36_1: C36.1 R103.2 U25.60 | length 6.9
  Top Layer w0.254: 37.468,93.504 37.54,93.432 37.55,93.422
  Top Layer w0.5: 37.54,93.432 U25.60@41.858,93.432 ; C36.1@37.55,90.964 37.55,93.422
NetC44_1: C44.1 D1.1 R25.2 R33.2 | length 7.7
  Top Layer w0.5: D1.1@88.9,21.368 88.9,18.87 89,18.77
  Top Layer w1: R33.2@85.33,18.77 C44.1@87.87,18.77 ; C44.1@87.87,18.782 C44.1@87.87,18.77 ; R25.2@90.41,18.77 89,18.77 C44.1@87.87,18.77
NetC45_1: C45.1 D2.1 R26.2 R34.2 | length 8.6
  Top Layer w0.254: R34.2@93.582,18.846 C45.1@96.122,18.846 ; C45.1@96.122,18.9 C45.1@96.122,18.846 ; R26.2@98.662,18.886 98.622,18.846 C45.1@96.122,18.846
  Top Layer w0.5: R34.2@93.582,18.846 93.582,20.116 D2.1@95.106,21.64
NetC46_1: C46.1 D3.1 R27.2 R35.2 | length 8.5
  Top Layer w0.5: R35.2@101.894,18.846 101.894,20.116 D3.1@103.418,21.64
  Top Layer w1: R35.2@101.894,18.846 C46.1@104.434,18.846 ; C46.1@104.434,18.858 C46.1@104.434,18.846 ; R27.2@106.974,18.846 C46.1@104.434,18.846
NetC47_1: C47.1 D4.1 R28.2 R36.2 | length 8.5
  Top Layer w0.5: R36.2@110.134,18.722 110.134,19.992 D4.1@111.658,21.516
  Top Layer w1: R36.2@110.134,18.722 C47.1@112.674,18.722 ; C47.1@112.674,18.734 C47.1@112.674,18.722 ; R28.2@115.214,18.722 C47.1@112.674,18.722
NetC48_1: C48.1 D5.1 R29.2 R37.2 | length 8.5
  Top Layer w0.5: R37.2@118.354,18.746 118.354,20.016 D5.1@119.878,21.54
  Top Layer w1: R37.2@118.354,18.746 C48.1@120.894,18.746 ; C48.1@120.894,18.758 C48.1@120.894,18.746 ; R29.2@123.434,18.746 C48.1@120.894,18.746
NetC49_1: C49.1 D6.1 R30.2 R38.2 | length 8.5
  Top Layer w0.5: R38.2@126.574,18.746 126.574,20.016 D6.1@128.098,21.54
  Top Layer w1: R38.2@126.574,18.746 C49.1@129.114,18.746 ; C49.1@129.114,18.758 C49.1@129.114,18.746 ; R30.2@131.654,18.746 C49.1@129.114,18.746
NetC50_1: C50.1 D7.1 R31.2 R39.2 | length 8.5
  Top Layer w0.5: R39.2@134.782,18.854 134.782,20.124 D7.1@136.306,21.648
  Top Layer w1: R39.2@134.782,18.854 137.322,18.854 R31.2@139.862,18.854
NetC51_1: C51.1 D8.1 R32.2 R40.2 | length 8.6
  Top Layer w0.254: C51.1@145.538,18.9 C51.1@145.538,18.946
  Top Layer w0.5: R40.2@142.998,18.946 142.998,20.216 D8.1@144.522,21.74
  Top Layer w1: R40.2@142.998,18.946 145.538,18.946 R32.2@148.078,18.946
NetC52_1: C52.1 D13.1 R54.2 R63.2 | length 8.5
  Top Layer w0.5: R63.2@85.326,33.906 85.326,35.176 D13.1@86.85,36.7
  Top Layer w1: R63.2@85.326,33.906 87.866,33.906 R54.2@90.406,33.906
NetC53_1: C53.1 D14.1 R55.2 R64.2 | length 8.5
  Top Layer w0.5: R64.2@93.474,34.054 93.474,35.416 D14.1@94.938,36.88
  Top Layer w1: R64.2@93.474,34.054 C53.1@96.014,34.054 ; C53.1@96.014,34.066 C53.1@96.014,34.054 ; R55.2@98.554,34.054 C53.1@96.014,34.054
NetC54_1: C54.1 D15.1 R56.2 R65.2 | length 8.5
  Top Layer w0.5: R65.2@101.903,33.806 101.903,35.076 D15.1@103.427,36.6
  Top Layer w1: R65.2@101.903,33.806 104.443,33.806 R56.2@106.983,33.806
NetC55_1: C55.1 D16.1 R57.2 R66.2 | length 8.5
  Top Layer w0.5: R66.2@110.257,34.035 110.257,35.305 D16.1@111.781,36.829
  Top Layer w1: R66.2@110.257,34.035 112.797,34.035 R57.2@115.337,34.035
NetC56_1: C56.1 D17.1 R58.2 R67.2 | length 8.5
  Top Layer w0.5: R67.2@118.45,33.954 118.45,35.224 D17.1@119.974,36.748
  Top Layer w1: R67.2@118.45,33.954 120.99,33.954 R58.2@123.53,33.954
NetC57_1: C57.1 D18.1 R59.2 R68.2 | length 8.5
  Top Layer w0.5: R68.2@126.534,33.906 126.534,35.176 D18.1@128.058,36.7
  Top Layer w1: R68.2@126.534,33.906 129.058,33.906 R59.2@131.614,33.906
NetC58_1: C58.1 D19.1 R60.2 R69.2 | length 8.5
  Top Layer w0.5: R69.2@134.846,33.862 134.846,35.132 D19.1@136.37,36.656
  Top Layer w1: R69.2@134.846,33.862 137.386,33.862 R60.2@139.926,33.862
NetC59_1: C59.1 D20.1 R61.2 R70.2 | length 8.5
  Top Layer w0.5: R70.2@143.102,33.862 143.102,35.132 D20.1@144.626,36.656
  Top Layer w1: R70.2@143.102,33.862 145.642,33.862 R61.2@148.182,33.862
NetD1_2: D1.2 U5.1 | length 57.1
  Top Layer w0.254: U5.1@48.194,45.648 48.194,43.206 49.308,42.092 75.29,42.092 80.344,37.038 80.344,25.156 83.224,22.276 85.96,22.276 D1.2@86.868,21.368
NetD2_2: D2.2 U6.1 | length 59.6
  Top Layer w0.254: U6.1@54.798,45.648 57.846,42.6 75.5,42.6 80.852,37.248 80.852,25.411 83.479,22.784 96.716,22.784 97.138,22.362 D2.2@97.138,21.64
NetD3_2: D3.2 U7.1 | length 61.6
  Top Layer w0.254: U7.1@61.402,45.648 63.85,43.2 74.7,43.2 75.621,43.2 81.36,37.461 81.36,25.622 83.69,23.292 104.908,23.292 105.45,22.75 D3.2@105.45,21.64
NetD4_2: D4.2 U8.1 | length 62.7
  Top Layer w0.254: U8.1@68.006,45.648 69.854,43.8 74.1,43.8 75.74,43.8 81.868,37.672 81.868,25.832 83.9,23.8 112.7,23.8 113.69,22.81 113.69,22.21
NetD5_2: D5.2 U9.1 | length 65.3
  Top Layer w0.254: U9.1@74.61,45.648 82.376,37.882 82.376,26.224 84.2,24.4 121.1,24.4 121.91,23.59 D5.2@121.91,21.54
NetD6_2: D6.2 U10.1 | length 70.6
  Top Layer w0.254: U10.1@81.214,45.648 82.884,43.978 82.884,26.616 84.5,25 129.23,25 130.13,24.1 D6.2@130.13,21.54
NetD7_2: D7.2 U11.1 | length 79.5
  Top Layer w0.254: U11.1@87.818,45.648 87.818,42.118 83.392,37.692 83.392,27.008 84.8,25.6 137.6,25.6 138.338,24.862 D7.2@138.338,21.648
NetD8_2: D8.2 U12.1 | length 91.8
  Top Layer w0.254: U12.1@94.422,45.648 94.422,43.722 89,38.3 84.9,38.3 83.9,37.3 83.9,27.5 85.2,26.2 87,26.2 145.2,26.2 146.554,24.846 D8.2@146.554,21.74
NetD10_2: D10.2 R41.2 | length 3
  Top Layer w0.5: R41.2@200.806,116.11 D10.2@203.854,116.11
NetD11_2: D11.2 R42.1 | length 3.2
  Top Layer w0.5: R42.1@200.806,108.236 201.06,108.49 D11.2@203.854,108.49
NetD12_2: D12.2 L5.1 U13.2 | length 19.7
  Top Layer w1: U13.2@194.778,79.988 197.55,79.988
  Top Layer w1.7: L5.1@202.658,78.7 202.658,69.914 D12.2@204.444,68.128
  Top Layer w2: 197.55,79.988 201.37,79.988 L5.1@202.658,78.7
NetD13_2: D13.2 U15.1 | length 17.6
  Top Layer w0.254: D13.2@88.882,36.7 90.782,38.6 97,38.6 101.026,42.626 U15.1@101.026,45.648
NetD14_2: D14.2 U16.1 | length 17.1
  Top Layer w0.254: D14.2@96.97,36.88 98.39,38.3 105.4,38.3 107.578,40.478 U16.1@107.578,45.436
NetD15_2: D15.2 U17.1 | length 15.9
  Top Layer w0.254: D15.2@105.459,36.6 107.759,38.9 113.2,38.9 114.234,39.934 U17.1@114.234,45.648
NetD16_2: D16.2 U18.1 | length 14.2
  Top Layer w0.254: D16.2@113.813,36.829 115.384,38.4 119.6,38.4 120.838,39.638 U18.1@120.838,45.648
NetD17_2: D17.2 U19.1 | length 13.2
  Top Layer w0.254: D17.2@122.006,36.748 125.448,36.748 127.442,38.742 U19.1@127.442,45.648
NetD18_2: D18.2 U20.1 | length 12.2
  Top Layer w0.254: D18.2@130.09,36.7 132.9,36.7 134.046,37.846 U20.1@134.046,45.648
NetD19_2: D19.2 U21.1 | length 10.5
  Top Layer w0.254: D19.2@138.402,36.656 139.356,36.656 140.65,37.95 U21.1@140.65,45.648
NetD20_2: D20.2 U22.1 | length 9.2
  Top Layer w0.254: D20.2@146.658,36.656 147.254,37.252 U22.1@147.254,45.648
NetD22_1: D22.1 Q3.1 R83.2 | length 11.8
  Top Layer w0.5: Q3.1@167.64,92.488 165.462,92.488 R83.2@165.33,92.62 165.33,91.42 165.85,90.9 172.094,90.9 D22.1@172.95,91.756
NetD25_1: D25.1 R96.1 | length 4.7
  Top Layer w0.5: D25.1@91.912,131.956 91.912,127.634 R96.1@92.162,127.384
NetD26_1: D26.1 R88.1 | length 4.7
  Top Layer w0.254: D26.1@81.752,131.956 81.752,127.634 R88.1@82.002,127.384
NetD27_1: D27.1 R115.1 | length 4.9
  Top Layer w0.5: D27.1@70.576,131.956 70.576,128.142 R115.1@71.334,127.384
NetF1_1: F1.1 R085.1 U1.7 | length 6.2
  Top Layer w0.5: U1.7@161.33,71.424 161.33,68.742 R085.1@161.584,68.488 161.584,66.928 F1.1@162.704,65.808
NetF2_1: F2.1 R085.2 U1.6 | length 6
  Top Layer w0.5: F2.1@159.148,65.808 159.933,66.593 R085.2@159.933,68.488 160.06,68.615 U1.6@160.06,71.424
NetF4_1: F4.1 J1.1 | length 18.5
  Top Layer w2: F4.1@204.724,26.924 205.486,26.162 205.486,16.739 ; J1.1@205.486,11.233 205.486,16.739 ; 205.486,14.233 205.486,16.739
NetJ6_9: J6.9 R123.2 | length 19.2
  Top Layer w0.254: J6.9@179.351,3.25 181.308,5.207 195.09,5.207 R123.2@196.995,7.112
NetJ6_10: J6.10 U24.25 | length 60.5
  Top Layer w0.254: U24.25@189.524,44.398 189.524,45.424 190.5,46.4 197.8,46.4 199.1,45.1 199.1,29.3 199.1,23.5 199.1,21.097 v1(191.922,13.919)
  Bottom Layer w0.254: J6.10@181.882,3.25 181.882,3.878 v1(191.922,13.919)
NetJ6_11: J6.11 U24.27 | length 61.4
  Top Layer w0.254: U24.27@188.524,44.398 188.524,45.824 189.7,47 198.2,47 199.7,45.5 199.7,23.2 199.7,20.63 v1(191.948,12.878)
  Bottom Layer w0.254: J6.11@190.057,3.25 188.316,4.991 188.316,9.246 v1(191.948,12.878)
NetJ6_12: J6.12 R90.2 | length 4.9
  Top Layer w0.254: J6.12@192.6,3.25 193.922,4.572 R90.2@196.977,4.572
NetJ7_1: J7.1 K5.1 | length 15.9
  Top Layer w1.5: K5.1@36.576,17.304 45.72,8.16 J7.1@45.72,5.16
NetJ7_2: J7.2 K5.2 | length 11.8
  Top Layer w1.5: K5.2@44.176,14.764 49.53,9.41 49.53,8.16 J7.2@49.53,5.16
NetJ7_3: J7.3 K6.1 | length 14.7
  Top Layer w1.5: K6.1@47.244,17.304 53.34,11.208 53.34,8.16 J7.3@53.34,5.16
NetJ7_4: J7.4 K6.2 | length 10.6
  Top Layer w1.5: K6.2@54.844,14.764 57.15,12.458 57.15,8.16 J7.4@57.15,5.16
NetJ7_5: J7.5 K7.1 | length 13.4
  Top Layer w1.5: K7.1@57.912,17.304 60.96,14.256 60.96,8.16 J7.5@60.96,5.16
NetJ7_6: J7.6 K7.2 | length 9.9
  Top Layer w1.5: J7.6@64.77,5.16 64.77,8.16 65.512,8.902 K7.2@65.512,14.764
NetJ7_7: J7.7 K8.1 | length 12.1
  Top Layer w1.5: J7.7@68.58,5.16 68.58,8.16 K8.1@68.58,17.304
NetJ7_8: J7.8 K8.2 | length 11.2
  Top Layer w1.5: J7.8@72.39,5.16 72.39,9 72.39,10.974 K8.2@76.18,14.764
NetJ71_1: J71.1 K51.1 | length 89.2
  Bottom Layer w1: 13.208,8.16 17.8,12.752 17.8,45.732 K51.1@15.24,48.292
  Bottom Layer w1.5: J71.1@13.208,5.16 13.208,8.16 17.8,12.752 17.8,45.732 K51.1@15.24,48.292
NetJ71_2: J71.2 K51.2 | length 43
  Bottom Layer w1.5: J71.2@17.018,5.16 17.018,8.16 20.2,11.342 20.2,43.112 K51.2@22.84,45.752
NetJ71_3: J71.3 K61.1 | length 47.4
  Bottom Layer w1.5: J71.3@20.828,5.16 20.828,8.16 28.5,15.832 28.5,45.7 K61.1@25.908,48.292
NetJ71_4: J71.4 K61.2 | length 44.3
  Bottom Layer w1.5: J71.4@24.638,5.16 24.638,8.16 30.8,14.322 30.8,43.044 K61.2@33.508,45.752
NetJ71_5: J71.5 K71.1 | length 20
  Top Layer w1.5: K71.1@15.24,17.304 20.744,11.8 24.808,11.8 28.448,8.16 J71.5@28.448,5.16
NetJ71_6: J71.6 K71.2 | length 15.2
  Top Layer w1.5: K71.2@22.84,14.764 25.654,14.764 32.258,8.16 J71.6@32.258,5.16
NetJ71_7: J71.7 K81.1 | length 17
  Top Layer w1.5: K81.1@25.908,17.304 26.896,17.304 36.04,8.16 ; J71.7@36.068,5.16 36.068,8.132 36.04,8.16 ; 36.068,8.16 36.04,8.16
NetJ71_8: J71.8 K81.2 | length 12.2
  Top Layer w1.5: K81.2@33.508,14.764 39.878,8.394 39.878,8.16 J71.8@39.878,5.16
NetLED1_1: LED1.1 R11.1 | length 3.6
  Top Layer w0.5: R11.1@143.25,128.544 LED1.1@143.25,132.1
NetLED1_3: LED1.3 R10.1 | length 3.6
  Top Layer w0.5: R10.1@148.33,128.544 LED1.3@148.33,132.1